# Altium PCB E103-W02.PcbDoc (part 1 of 2) (continued)
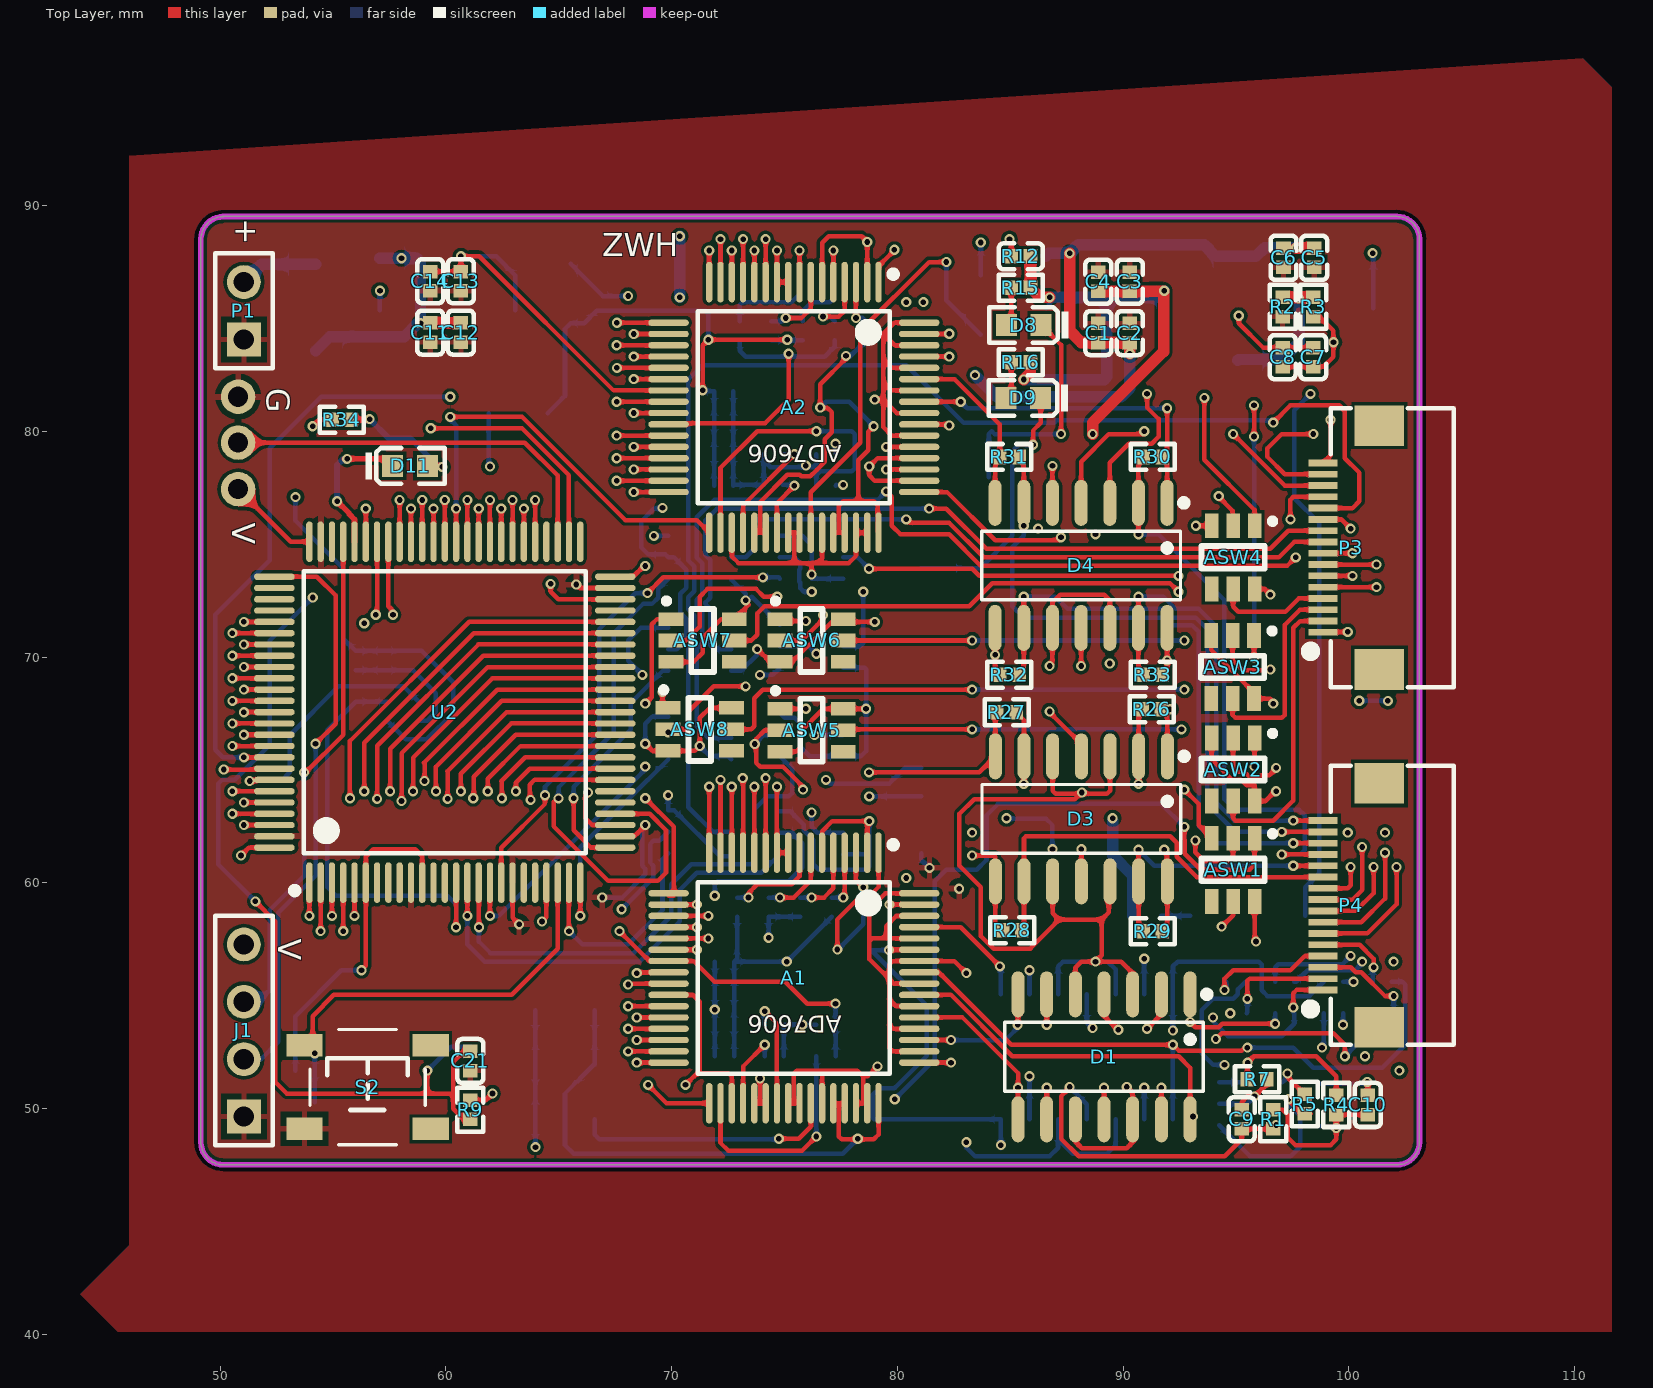
[diagram p0: Top Layer view]
## Components (designator, comment, footprint, x,y, rotation, side; value= is the part's Value field where it differs from the comment)
*1 "Component_1" E103-W02 93.131,78.734 r270 bottom
A1 "AD7606BBSTZ" AD7606 75.311,55.88 r270 top
A2 "AD7606BBSTZ" AD7606 75.311,81.153 r270 top
ASW1 "RS2103XH" SOT-23-6 94.869,60.579 r90 top
ASW2 "RS2103XH" SOT-23-6 94.869,65.024 r90 top
ASW3 "RS2103XH" SOT-23-6 94.846,69.564 r90 top
ASW4 "RS2103XH" SOT-23-6 94.869,74.422 r90 top
ASW5 "RS2103XH" SOT-23-6 76.2,66.763 r180 top
ASW6 "RS2103XH" SOT-23-6 76.2,70.739 r180 top
ASW7 "RS2103XH" SOT-23-6 71.374,70.739 r180 top
ASW8 "RS2103XH" SOT-23-6 71.247,66.802 r180 top
ASW9 "RS2103XH" SOT-23-6 71.247,74.421 r180 bottom
ASW10 "RS2103XH" SOT-23-6 71.247,70.358 r180 bottom
ASW11 "RS2103XH" SOT-23-6 71.247,66.421 r180 bottom
ASW12 "RS2103XH" SOT-23-6 71.247,62.261 r180 bottom
ASW13 "RS2103XH" SOT-23-6 76.2,74.549 r180 bottom
ASW14 "RS2103XH" SOT-23-6 76.152,70.673 r180 bottom
ASW15 "RS2103XH" SOT-23-6 76.2,66.564 r180 bottom
ASW16 "RS2103XH" SOT-23-6 76.2,62.261 r180 bottom
C1 "10uF" 0402_C 88.9,84.357 r270 top
C2 "0.1uF" 0402_C 90.297,84.357 r270 top
C3 "0.1uF" 0402_C 90.297,86.629 r270 top
C4 "10uF" 0402_C 88.9,86.629 r270 top
C5 "10uF" 0402_C 98.459,87.691 r90 top
C6 "0.1uF" 0402_C 97.102,87.691 r90 top
C7 "0.1uF" 0402_C 98.419,83.29 r90 top
C8 "10uF" 0402_C 97.062,83.29 r90 top
C9 "100nF" 0402_C 95.25,49.53 r270 top
C10 "100nF" 0402_C 100.838,50.165 r270 top
C11 "10uF" 0402_C 59.309,84.379 r90 top
C12 "0.1uF" 0402_C 60.666,84.379 r90 top
C13 "0.1uF" 0402_C 60.666,86.656 r90 top
C14 "10uF" 0402_C 59.309,86.656 r90 top
C15 "Cap Pol3" CASE-A_3216 65.278,54.356 r0 bottom value="10 μF"
C16 "100 nF" 0402_C 72.339,56.515 r180 bottom
C17 "100 nF" 0402_C 72.339,53.721 r180 bottom
C18 "100 nF" 0402_C 72.339,52.324 r180 bottom
C19 "100 nF" 0402_C 72.339,55.118 r180 bottom
C20 "0.1uF" 0402_C 56.007,67.608 r90 bottom
C21 "0.1uF" 0402_C 61.087,52.114 r90 top
C22 "0.1uF" 0402_C 53.765,50.294 r0 bottom
C23 "Cap Pol3" CASE-A_3216 65.278,51.943 r0 bottom value="10 μF"
C24 "100 nF" 0402_C 76.835,53.721 r180 bottom
C25 "Cap Pol3" CASE-A_3216 65.278,49.53 r0 bottom value="10 μF"
C26 "0.1uF" 0402_C 56.007,69.85 r90 bottom
C30 "0.1uF" 0402_C 57.277,69.85 r90 bottom
C32 "1 μF" 0402_C 74.549,53.721 r0 bottom
C33 "1 μF" 0402_C 74.549,52.324 r0 bottom
C34 "Cap Pol3" CASE-A_3216 66.491,85.538 r270 bottom value="10 μF"
C35 "100 nF" 0402_C 72.307,81.788 r180 bottom
C36 "100 nF" 0402_C 72.307,80.391 r180 bottom
C37 "100 nF" 0402_C 72.307,77.597 r180 bottom
C38 "100 nF" 0402_C 72.307,78.994 r180 bottom
C39 "Cap Pol3" CASE-A_3216 63.208,80.814 r0 bottom value="10 μF"
C40 "100 nF" 0402_C 76.835,78.994 r180 bottom
C41 "Cap Pol3" CASE-A_3216 83.693,85.598 r270 bottom value="10 μF"
C42 "1 μF" 0402_C 74.505,77.63 r180 bottom
C43 "1 μF" 0402_C 74.505,78.994 r180 bottom
D1 "RS8554" RS8554 91.314,51.642 r180 top
D2 "RS8554" RS8554 90.552,52.956 r180 bottom
D3 "RS8554" RS8554 90.308,62.183 r180 top
D4 "RS8554" RS8554 90.298,73.409 r180 top
D8 "蓝灯 0603" 0603_LED_S1 85.598,84.709 r180 top
D9 "蓝灯 0603" 0603_LED_S1 85.579,81.485 r180 top
D10 "蓝灯 0603" 标准DO-214AC 54.229,83.566 r90 bottom
D11 "蓝灯 0603" 0603_LED_S1 58.414,78.475 r0 top (schematic designator D8)
J1 "Header 4" HDR1X4 51.054,49.657 r90 top
OS1 "1k" 0402_R 72.898,58.928 r270 bottom
OS2 "10k" 0402_R 78.486,58.928 r270 bottom
OS3 "10k" 0402_R 75.692,58.928 r270 bottom
OS4 "10k" 0402_R 74.295,58.928 r270 bottom
OS5 "10k" 0402_R 77.089,58.928 r270 bottom
OS6 "1k" 0402_R 73.025,84.455 r270 bottom
OS7 "10k" 0402_R 78.613,84.455 r270 bottom
OS8 "10k" 0402_R 75.819,84.455 r270 bottom
OS9 "10k" 0402_R 74.422,84.455 r270 bottom
OS10 "10k" 0402_R 77.216,84.455 r270 bottom
P1 "Header 2" HDR1X2 51.054,84.074 r90 top
P3 "Header 16" FPC_16_0.5 101.799,75.565 r270 top
P4 "Header 16" FPC_16_0.5 101.799,59.724 r270 top
R1 "10KΩ" 0402_R 96.647,49.53 r270 top
R2 "0Ω" 0402_R 97.062,85.513 r90 top
R3 "0Ω" 0402_R 98.419,85.513 r270 top
R4 "10K" 0402_R 99.441,50.165 r270 top
R5 "5K" 0402_R 98.044,50.209 r270 top
R7 "5K" 0402_R 95.929,51.308 r0 top
R9 "10K" 0402_R 61.087,49.955 r90 top
R10 "10K" 0402_R 57.404,67.608 r270 bottom
R11 "10K" 0402_R 53.765,51.689 r180 bottom
R12 "1K" 0402_C 85.471,87.757 r180 top
R13 "1.1KΩ (1101) ±1%" 0402_R 76.835,52.324 r0 bottom
R14 "1k" 0402_R 58.801,67.608 r90 bottom
R15 "1K" 0402_R 85.471,86.36 r0 top
R16 "1K" 0402_R 85.471,83.058 r180 top
R17 "1.1KΩ (1101) ±1%" 0402_R 76.835,77.597 r0 bottom
R18 "100Ω" 0402_R 97.155,54.229 r180 bottom
R19 "100Ω" 0402_R 95.04,54.229 r180 bottom
R20 "100Ω" 0402_R 101.473,54.229 r180 bottom
R21 "100Ω" 0402_R 94.996,55.626 r0 bottom
R22 "100Ω" 0402_R 101.473,55.626 r0 bottom
R23 "100Ω" 0402_R 99.314,54.229 r180 bottom
R24 "100Ω" 0402_R 97.155,55.626 r180 bottom
R25 "0KΩ" 0402_R 99.314,55.626 r180 bottom
R26 "100Ω" 0402_R 91.269,67.691 r0 top
R27 "100Ω" 0402_R 84.836,67.564 r180 top
R28 "100Ω" 0402_R 85.09,57.912 r180 top
R29 "100Ω" 0402_R 91.313,57.865 r0 top
R30 "100Ω" 0402_R 91.313,78.867 r0 top
R31 "100Ω" 0402_R 84.963,78.867 r180 top
R32 "100Ω" 0402_R 84.963,69.215 r180 top
R33 "0KΩ" 0402_R 91.313,69.215 r0 top
R34 "1K" 0402_R 55.394,80.518 r0 top (schematic designator R15)
S1 "SW-PB" 按键 58.42,50.927 r90 bottom
S2 "SW-PB" 按键 56.461,50.997 r90 top
U1 "RS8557XF" SOT-23-5 95.651,50.216 r180 bottom
U2 "STM32F103VCT6" LQFP-100_14x14x05P 59.954,67.564 r0 top
VR1 "AMS1117-3.3" SOT-223 89.583,85.457 r180 bottom
VR2 "AMS1117-5.0" SOT-223 98.078,85.449 r180 bottom
VR3 "AMS1117-3.3" SOT-223 60.082,85.371 r180 bottom

## Footprints (in the part's own frame and the unit in brackets; to place one, negate y for a bottom-side part, rotate by r counter-clockwise, add the part's x,y. Pads: shape width x height; smd on the part's side, far side on the other; paste and mask are expansions set on the pad)
0402_C [mm]
  rect 0.6x0.65 smd mask+0.051: 1(-0.425,0) 2(0.425,0)
  silkscreen extent -0.97,-0.58 0.98,0.58, body extent -0.48,-0.3 0.52,0.3, height 0.2
0402_R [mm]
  rect 0.6x0.65 smd mask+0.051: 1(-0.425,0) 2(0.425,0)
  silkscreen extent -0.97,-0.58 0.97,0.58, body extent -0.57,-0.27 0.57,0.28, height 0.41
0603_LED_S1 [mm]
  rect 0.93x0.98 smd: A(0.77,0) K(-0.77,0)
  silkscreen extent -1.97,-0.79 1.54,0.79, body extent -0.8,-0.4 0.8,0.4, height 0.6
AD7606 [mm]
  oval 1.796x0.28 smd: 1(-5.461,3.854) 2(-5.461,3.354) 3(-5.461,2.854) 4(-5.461,2.354) 5(-5.461,1.854) 6(-5.461,1.354) 7(-5.461,0.854) 8(-5.461,0.354) 9(-5.461,-0.146) 10(-5.461,-0.646) 11(-5.461,-1.146) 12(-5.461,-1.646) 13(-5.461,-2.146) 14(-5.461,-2.646) 15(-5.461,-3.146) 16(-5.461,-3.646) 33(5.639,-3.646) 34(5.639,-3.146) 35(5.639,-2.646) 36(5.639,-2.146) 37(5.639,-1.646) 38(5.639,-1.146) 39(5.639,-0.646) 40(5.639,-0.146) 41(5.639,0.354) 42(5.639,0.854) 43(5.639,1.354) 44(5.639,1.854) 45(5.639,2.354) 46(5.639,2.854) 47(5.639,3.354) 48(5.639,3.854)
  oval 0.28x1.796 smd: 17(-3.661,-5.446) 18(-3.161,-5.446) 19(-2.661,-5.446) 20(-2.161,-5.446) 21(-1.661,-5.446) 22(-1.161,-5.446) 23(-0.661,-5.446) 24(-0.161,-5.446) 25(0.339,-5.446) 26(0.839,-5.446) 27(1.339,-5.446) 28(1.839,-5.446) 29(2.339,-5.446) 30(2.839,-5.446) 31(3.339,-5.446) 32(3.839,-5.446) 49(3.839,5.654) 50(3.339,5.654) 51(2.839,5.654) 52(2.339,5.654) 53(1.839,5.654) 54(1.339,5.654) 55(0.839,5.654) 56(0.339,5.654) 57(-0.161,5.654) 58(-0.661,5.654) 59(-1.161,5.654) 60(-1.661,5.654) 61(-2.161,5.654) 62(-2.661,5.654) 63(-3.161,5.654) 64(-3.661,5.654)
  silkscreen extent -5.96,-4.15 4.34,4.65
CASE-A_3216 [mm]
  rect 1.8x1.35 smd: 1(1.31,0) 2(-1.31,0)
  silkscreen extent -2.54,-1 2.97,1, body extent -1.7,-0.84 1.7,0.84, height 1.71
E103-W02 [mm]
  oval 3.2x0.8 smd: 1(20.193,-8.76) 2(20.193,-7.487) 3(20.193,-6.213) 4(20.193,-4.94) 8(20.193,0.154) 9(20.193,1.427) 10(20.193,2.701) 11(20.193,3.974) 12(20.193,5.247) 13(20.193,6.521) 14(20.193,7.794) 15(20.193,9.068) 16(20.193,10.341) 29(0.762,10.341) 30(0.762,9.068) 34(0.762,3.974) 35(0.762,2.701) 36(0.762,1.427) 37(0.762,0.154) 40(0.762,-3.666) 42(0.762,-6.213) 43(0.762,-7.487) 44(0.762,-8.76)
  oval 3.2x0.8 on Bottom Overlay: 5(20.193,-3.666) 6(20.193,-2.393) 7(20.193,-1.12) 31(0.762,7.794) 32(0.762,6.521) 33(0.762,5.247) 38(0.762,-1.12) 39(0.762,-2.393) 41(0.762,-4.94)
  oval 0.8x3.2 smd: 17(17.429,12.065) 18(16.165,12.065) 19(14.901,12.065) 20(13.637,12.065) 21(12.373,12.065) 22(11.109,12.065) 23(9.846,12.065) 24(8.582,12.065) 25(7.318,12.065) 26(6.054,12.065) 27(4.79,12.065) 28(3.526,12.065)
  silkscreen extent 1.02,-15.19 20.02,11.81
FPC_16_0.5 [mm]
  rect 1.8x2.2 smd: 0(-4.687,-0.453) 0(6.113,-0.453)
  rect 0.3x1.3 smd: 1(4.463,-2.95) 2(3.963,-2.95) 3(3.463,-2.95) 4(2.963,-2.95) 5(2.463,-2.95) 6(1.963,-2.95) 7(1.463,-2.95) 8(0.963,-2.95) 9(0.463,-2.95) 10(-0.037,-2.95) 11(-0.537,-2.95) 12(-1.037,-2.95) 13(-1.537,-2.95) 14(-2.037,-2.95) 15(-2.537,-2.95) 16(-3.037,-2.95)
  silkscreen extent -5.46,-3.68 6.89,2.85, body extent -5.39,-3.3 6.81,2.7, height 2
HDR1X2 [mm] "Connector; Header; 2 Position"
  rect 1.5x1.5 hole 0.9: 1(0,0)
  round 1.5 hole 0.9: 2(2.54,0)
  silkscreen extent -1.27,-1.27 3.81,1.27
HDR1X4 [mm] "Connector; Header; 4 Position"
  rect 1.5x1.5 hole 0.9: 1(0,0)
  round 1.5 hole 0.9: 2(2.54,0) 3(5.08,0) 4(7.62,0)
  silkscreen extent -1.27,-1.27 8.89,1.27
LQFP-100_14x14x05P [mm]
  oval 0.28x1.8 smd mask+0.051: 1(-6,-7.55) 2(-5.5,-7.55) 3(-5,-7.55) 4(-4.5,-7.55) 5(-4,-7.55) 6(-3.5,-7.55) 7(-3,-7.55) 8(-2.5,-7.55) 9(-2,-7.55) 10(-1.5,-7.55) 11(-1,-7.55) 12(-0.5,-7.55) 13(0,-7.55) 14(0.5,-7.55) 15(1,-7.55) 16(1.5,-7.55) 17(2,-7.55) 18(2.5,-7.55) 19(3,-7.55) 20(3.5,-7.55) 21(4,-7.55) 22(4.5,-7.55) 23(5,-7.55) 24(5.5,-7.55) 25(6,-7.55) 51(6,7.55) 52(5.5,7.55) 53(5,7.55) 54(4.5,7.55) 55(4,7.55) 56(3.5,7.55) 57(3,7.55) 58(2.5,7.55) 59(2,7.55) 60(1.5,7.55) 61(1,7.55) 62(0.5,7.55) 63(0,7.55) 64(-0.5,7.55) 65(-1,7.55) 66(-1.5,7.55) 67(-2,7.55) 68(-2.5,7.55) 69(-3,7.55) 70(-3.5,7.55) 71(-4,7.55) 72(-4.5,7.55) 73(-5,7.55) 74(-5.5,7.55) 75(-6,7.55)
  oval 1.8x0.28 smd mask+0.051: 26(7.55,-6) 27(7.55,-5.5) 28(7.55,-5) 29(7.55,-4.5) 30(7.55,-4) 31(7.55,-3.5) 32(7.55,-3) 33(7.55,-2.5) 34(7.55,-2) 35(7.55,-1.5) 36(7.55,-1) 37(7.55,-0.5) 38(7.55,0) 39(7.55,0.5) 40(7.55,1) 41(7.55,1.5) 42(7.55,2) 43(7.55,2.5) 44(7.55,3) 45(7.55,3.5) 46(7.55,4) 47(7.55,4.5) 48(7.55,5) 49(7.55,5.5) 50(7.55,6) 76(-7.55,6) 77(-7.55,5.5) 78(-7.55,5) 79(-7.55,4.5) 80(-7.55,4) 81(-7.55,3.5) 82(-7.55,3) 83(-7.55,2.5) 84(-7.55,2) 85(-7.55,1.5) 86(-7.55,1) 87(-7.55,0.5) 88(-7.55,0) 89(-7.55,-0.5) 90(-7.55,-1) 91(-7.55,-1.5) 92(-7.55,-2) 93(-7.55,-2.5) 94(-7.55,-3) 95(-7.55,-3.5) 96(-7.55,-4) 97(-7.55,-4.5) 98(-7.55,-5) 99(-7.55,-5.5) 100(-7.55,-6)
  silkscreen extent -6.8,-8.05 6.25,6.25
RS8554 [mm]
  oval 0.574x2.038 smd: 1(-1.65,-3.426) 2(-0.38,-3.426) 3(0.89,-3.426) 4(2.16,-3.426) 5(3.43,-3.426) 6(4.7,-3.426) 7(5.97,-3.426) 8(5.97,2.112) 9(4.7,2.112) 10(3.43,2.112) 11(2.16,2.112) 12(0.89,2.112) 13(-0.38,2.112) 14(-1.65,2.112)
  silkscreen extent -2.54,-3.58 6.56,0.86
SOT-23-5 [mm]
  rect 1.1x0.6 smd: 1(1.4,-0.95) 2(1.4,0) 3(1.4,0.95) 4(-1.4,0.95) 5(-1.4,-0.95)
  silkscreen extent -0.5,-1.87 1.62,1.4
SOT-23-6 [mm]
  rect 1.1x0.6 smd: 1(1.4,-0.95) 2(1.4,0) 3(1.4,0.95) 4(-1.4,0.95) 5(-1.4,0) 6(-1.4,-0.95)
  silkscreen extent -0.5,-1.87 1.72,1.4
SOT-223 [mm]
  rect 2.2x1 smd: 1(3,-2.3) 2(3,0) 3(3,2.3)
  rect 2.2x3.5 smd: 2(-3,0)
  silkscreen extent -1.4,-3 1.4,3, body extent -3.49,-3.24 3.49,3.24, height 1.64
按键 [mm]
  rect 1x1.6 smd: 1(1.812,2.727) 2(-1.888,2.727) 3(-1.888,-2.873) 4(1.812,-2.873)
  silkscreen extent -2.59,-2.62 2.51,2.48, body extent -2.64,-3.27 2.56,3.13, height 1.5
标准DO-214AC [mm]
  rect 1.6x2.4 smd: 1(3.83,0) 2(0,0)
  silkscreen extent -1.45,-1.43 4.85,1.43

## Part data
A1 A2: BOM_Manufacturer="Analog Devices", BOM_Manufacturer Part=AD7606BBSTZ, BOM_Supplier=LCSC, BOM_Supplier Part=C443885, Contributor=LCSC, spicePre=U, spiceSymbolName=AD7606BBSTZ
C1 C2 C3 C4 C5 C6 C7 C8 C11 C12 C13 C14: library part "0603 1.0pF (010) 0.25pF 50V", "贴片电容", Package=0603, SuppliersPartNumber=C23969, ComponentLink1Description=供?, ComponentLink1URL=http://www.szlcsc.com/product/details_24709.html, Supplier=LC
C9 C10 C20 C21 C22: library part "0402 100nF (104) 10% 16V", "贴片电容", Package=0402, SuppliersPartNumber=C1525, ComponentLink1Description=供?, ComponentLink1URL=http://www.szlcsc.com/product/details_1877.html, Supplier=LC
C15 C23 C25 C34 C39 C41: "Polarized Capacitor (Surface Mount)", LatestRevisionDate=29-May-2009, LatestRevisionNote="IPC-7351 Footprint Added.", PackageDescription="Chip Capacitor", PackageReference=C0805, Published=8-Jun-2000, Publisher="Altium Limited"
C16 C17 C18 C19 C24 C32 C33 C35 C36 C37 C38 C40 C42 C43: library part "0603 1.5nF (152) 10% 50V", "贴片电容", Package=0603, SuppliersPartNumber=C1595, ComponentLink1Description=供?, ComponentLink1URL=http://www.szlcsc.com/product/details_1947.html, Supplier=LC
C26 C30: library part "0402 1.0uF (105) 10% 25V", "贴片电容", Package=0402, SuppliersPartNumber=C52923, ComponentLink1Description=供?, ComponentLink1URL=http://www.szlcsc.com/product/details_53938.html, Supplier=LC
D1 D2 D3 D4: library part 运放_OPA4374, "运放，4个集成IC，轨至轨，2.3-5.5V，SOIC-14和TSSOP-14封装"
D8 D9 D10 D11: library part "0603 蓝灯", "发光二极管", Package=0603, SuppliersPartNumber=C72041, ComponentLink1Description=供?, ComponentLink1URL=http://www.szlcsc.com/product/details_73150.html, Supplier=LC
J1: "Header, 4-Pin", LatestRevisionDate=17-Jul-2002, LatestRevisionNote="Re-released for DXP Platform.", Publisher="Altium Limited"
OS1 OS2 OS3 OS4 OS5 OS6 OS7 OS8 OS9 OS10: library part "0603 0Ω (0R0) 1%", "贴片电阻", Package=0603, SuppliersPartNumber=C21189, ComponentLink1Description=供?, ComponentLink1URL=http://www.szlcsc.com/product/details_21903.html, Supplier=LC
P1: "Header, 2-Pin", LatestRevisionDate=17-Jul-2002, LatestRevisionNote="Re-released for DXP Platform.", Publisher="Altium Limited"
P3 P4: "Header, 16-Pin", LatestRevisionDate=17-Jul-2002, LatestRevisionNote="Re-released for DXP Platform.", Publisher="Altium Limited"
R1: library part "0402 1.2KΩ (1201) 1%", "贴片电阻", Package=0402, SuppliersPartNumber=C25862, ComponentLink1Description=供?, ComponentLink1URL=http://www.szlcsc.com/product/details_26605.html, Supplier=LC
R2 R3: library part "1206 0Ω (0R0) 1%", "贴片电阻", Package=1206, SuppliersPartNumber=C17888, ComponentLink1Description=供?, ComponentLink1URL=http://www.szlcsc.com/product/details_18576.html, Supplier=LC
R4 R5 R7: library part "0603 100Ω (1000) 1%", "贴片电阻", Package=0603, SuppliersPartNumber=C22775, ComponentLink1Description=供?, ComponentLink1URL=http://www.szlcsc.com/product/details_23502.html, Supplier=LC
R9 R10 R11 R15 R16 R34: library part "0402 10KΩ (1002) 1%", "贴片电阻", Package=0402, SuppliersPartNumber=C25744, ComponentLink1Description=供?, ComponentLink1URL=http://www.szlcsc.com/product/details_26487.html, Supplier=LC
R12 R13 R17: library part "0603 1.1KΩ (1101) 1%", "贴片电阻", Package=0603, SuppliersPartNumber=C22764, ComponentLink1Description=供?, ComponentLink1URL=http://www.szlcsc.com/product/details_23491.html, Supplier=LC
R14: library part "0402 0Ω (0R0) 1%", "贴片电阻", Package=0402, SuppliersPartNumber=C17168, ComponentLink1Description=供?, ComponentLink1URL=http://www.szlcsc.com/product/details_17853.html, Supplier=LC
R18 R19 R20 R21 R22 R23 R24 R25 R26 R27 R28 R29 R30 R31 R32 R33: library part "0603 2KΩ (2001) 1%", "贴片电阻", Package=0603, SuppliersPartNumber=C22975, ComponentLink1Description=供?, ComponentLink1URL=http://www.szlcsc.com/product/details_23702.html, Supplier=LC
S1 S2: "Switch", LatestRevisionDate=17-Jul-2002, LatestRevisionNote="Re-released for DXP Platform.", PackageDescription="Switch; 2 Leads", PackageReference=SPST-2, Published=24-Mar-1999, Publisher="Altium Limited"
U2: "ARM", Package=LQFP-100_14x14x05P, SuppliersPartNumber=C8313, ComponentLink1Description=供?, ComponentLink1URL=http://www.szlcsc.com/product/details_8805.html, Supplier=LC
VR1 VR2 VR3: library part "SOT-223 AMS1117-3.3", "低压差线性稳压(LDO)", Package=SOT-223, SuppliersPartNumber=C6186, ComponentLink1Description=供?, ComponentLink1URL=http://www.szlcsc.com/product/details_6652.html, Supplier=LC

## Free pads (board coordinates)
  round 1.524 hole 0.889: 2(50.8,77.441) 2(50.8,79.502) 2(50.8,81.534)

## Via types
v1: diameter 0.45, hole 0.25, Top Layer to Bottom Layer, 390 vias

## Nets (pads, with @x,y where several pads share a name; then routed paths per layer and width w, separated by ;. In a path a pad name is that pad's centre, name@x,y a point inside that pad or via, vN(x,y) a via of type N, cw(c..) or ccw(c..) an arc to the next point about the centre after c; other vN are vias at no path point)
ADC1_BUSY: A1.14 U2.33 | length 21.4
  Top Layer w0.2: v1(63.101,64.064) 63.101,64.443 63.722,65.064 U2.33@67.504,65.064 ; A1.14@72.665,61.341 v1(72.665,64.262)
  Signal Layer 2 w0.2: v1(63.101,64.064) 63.101,63.01 64.389,61.722 72.263,61.722 72.665,62.124 v1(72.665,64.262)
ADC1_CS: A1.13 U2.34 | length 24.7
  Top Layer w0.2: v1(62.484,63.754) 62.484,64.474 62.454,64.504 63.515,65.564 U2.34@67.504,65.564 ; A1.13@73.165,61.341 v1@73.165,64.564
  Signal Layer 2 w0.2: v1(62.484,63.754) 62.484,63.051 62.454,63.022 64.135,61.341 72.771,61.341 73.152,61.722 v1(73.152,64.643)
ADC1_CVAB: A1.9 A1.10 U2.37 | length 32.2
  Top Layer w0.2: v1(60.666,64.064) 60.666,64.837 62.893,67.064 U2.37@67.504,67.064 ; v1(74.665,64.262) A1.10@74.665,61.341 A1.9@75.165,61.341
  Signal Layer 2 w0.2: v1(60.666,64.064) 60.666,62.778 63.246,60.198 74.295,60.198 74.665,60.568 v1(74.665,64.262)
ADC1_D0: A1.16 U2.97 | length 27.3
  Top Layer w0.2: v1(50.546,63.064) U2.97@52.404,63.064 ; A1.16@71.665,61.341 v1(71.665,64.262)
  Signal Layer 2 w0.2: v1(50.546,63.064) 53.412,63.064 55.753,65.405 67.477,65.405 68.366,64.516 71.411,64.516 v1(71.665,64.262)
ADC1_D1: A1.17 U2.98 | length 25.9
  Top Layer w0.2: v1(51.054,62.564) U2.98@52.404,62.564 ; v1(68.834,63.754) 70.104,62.484 70.104,59.434 69.865,59.434 A1.17@69.865,59.541
  Signal Layer 2 w0.2: v1(51.054,62.564) 53.42,62.564 55.88,65.024 67.335,65.024 68.605,63.754 v1(68.834,63.754)
ADC1_D2: A1.18 U2.1 | length 26.1
  Top Layer w0.2: v1(53.954,58.541) U2.1@53.954,60.014 ; A1.18@69.865,59.041 v1(71.12,59.041)
  Signal Layer 1 w0.2: v1(53.954,58.541) 53.954,62.59 54.61,63.246 57.745,63.246 57.841,63.15 58.237,63.15 58.333,63.246 63.513,63.246 63.556,63.203 63.952,63.203 63.995,63.246 66.548,63.246 70.753,59.041 v1(71.12,59.041)
ADC1_D3: A1.19 U2.2 | length 27.7
  Top Layer w0.2: v1(54.454,57.865) U2.2@54.454,60.014 ; A1.19@69.865,58.541 v1(71.628,58.541)
  Signal Layer 1 w0.2: v1(54.454,57.865) 54.454,62.455 54.864,62.865 57.627,62.865 57.695,62.797 58.383,62.797 58.436,62.85 64.098,62.85 64.113,62.865 66.421,62.865 70.745,58.541 v1(71.628,58.541)
ADC1_D4: A1.20 U2.3 | length 24.4
  Top Layer w0.2: v1(54.954,58.541) U2.3@54.954,60.014 ; A1.20@69.865,58.041 v1(71.12,58.041)
  Signal Layer 1 w0.2: v1(54.954,58.541) 54.954,62.066 55.343,62.455 57.539,62.455 57.549,62.445 58.529,62.445 58.539,62.455 66.327,62.455 70.741,58.041 v1(71.12,58.041)
ADC1_D5: A1.21 U2.4 | length 26
  Top Layer w0.2: v1(55.454,57.865) U2.4@55.454,60.014 ; A1.21@69.865,57.541 v1(71.628,57.541)
  Signal Layer 1 w0.2: v1(55.454,57.865) 55.454,61.804 55.716,62.066 66.204,62.066 70.729,57.541 v1(71.628,57.541)
ADC1_D6: A1.22 U2.5 | length 22.9
  Top Layer w0.2: v1(55.954,58.541) U2.5@55.954,60.014 ; A1.22@69.865,57.041 v1(71.12,57.041)
  Signal Layer 1 w0.2: v1(55.954,58.541) 55.954,61.542 56.124,61.712 66.003,61.712 70.674,57.041 v1(71.12,57.041)
ADC1_D7: A1.24 U2.38 | length 26.4
  Top Layer w0.2: v1(60.079,63.723) 60.079,64.941 60.071,64.949 62.686,67.564 U2.38@67.504,67.564 ; v1@68.453,56.041 A1.24@69.865,56.041
  Signal Layer 2 w0.2: v1(60.079,63.723) 59.944,63.589 59.944,57.779 61.716,56.007 v1(68.453,56.007)
ADC1_D8: A1.25 U2.39 | length 27.5
  Top Layer w0.2: v1(59.563,64.064) 59.563,65.148 62.479,68.064 U2.39@67.504,68.064 ; v1@68.072,55.541 A1.25@69.484,55.541
  Signal Layer 2 w0.2: v1(59.563,64.064) 59.563,57.66 61.724,55.499 v1(68.072,55.499)
ADC1_D9: A1.27 U2.40 | length 29.6
  Top Layer w0.2: v1(59.055,64.516) 59.055,65.298 59.031,65.323 62.272,68.564 U2.40@67.504,68.564 ; v1(68.072,54.541) A1.27@69.865,54.541
  Signal Layer 2 w0.2: v1(59.055,64.516) 59.055,57.658 62.172,54.541 v1(68.072,54.541)
ADC1_D10: A1.28 U2.41 | length 31.1
  Top Layer w0.2: v1(58.547,64.064) 58.547,65.546 62.065,69.064 U2.41@67.504,69.064 ; v1(68.453,54.041) A1.28@69.865,54.041
  Signal Layer 2 w0.2: v1(58.547,64.064) 58.547,57.658 62.164,54.041 v1(68.453,54.041)
ADC1_D11: A1.29 U2.42 | length 32.7
  Top Layer w0.2: v1(58.039,63.627) 58.039,65.745 61.858,69.564 U2.42@67.504,69.564 ; v1(68.072,53.541) A1.29@69.865,53.541
  Signal Layer 2 w0.2: v1(58.039,63.627) 58.039,57.658 62.156,53.541 v1(68.072,53.541)
ADC1_D12: A1.30 U2.43 | length 34.2
  Top Layer w0.2: v1(57.531,64.064) 57.531,65.944 61.651,70.064 U2.43@67.504,70.064 ; v1(68.453,53.041) A1.30@69.865,53.041
  Signal Layer 2 w0.2: v1(57.531,64.064) 57.531,57.652 62.142,53.041 v1(68.453,53.041)
ADC1_D13: A1.31 U2.44 | length 35.8
  Top Layer w0.2: v1(56.954,63.723) 56.954,66.075 61.444,70.564 U2.44@67.504,70.564 ; v1(68.072,52.541) A1.31@69.865,52.541
  Signal Layer 2 w0.2: v1(56.954,63.723) 56.954,57.674 62.087,52.541 v1(68.072,52.541)
ADC1_D14: A1.32 U2.45 | length 37.5
  Top Layer w0.2: v1(56.388,64.064) 56.388,66.215 61.237,71.064 U2.45@67.504,71.064 ; v1(68.453,52.041) A1.32@69.865,52.041
  Signal Layer 2 w0.2: v1(56.388,64.064) 56.388,57.658 62.005,52.041 v1(68.453,52.041)
ADC1_D15: A1.33 U2.46 | length 45.8
  Top Layer w0.2: v1(55.753,63.754) 55.753,66.287 61.03,71.564 U2.46@67.504,71.564 ; v1(68.961,51.054) 69.774,50.241 A1.33@71.665,50.241
  Signal Layer 2 w0.2: v1(55.753,63.754) 55.753,59.563 55.499,59.309 53.697,59.309 53.412,59.024 53.412,57.928 54.19,57.15 56.261,57.15 61.976,51.435 68.58,51.435 v1(68.961,51.054)
ADC1_FRST: A1.15 U2.32 | length 19.5
  Top Layer w0.2: v1(63.754,63.68) 63.722,63.712 63.722,64.357 63.929,64.564 U2.32@67.504,64.564 ; A1.15@72.165,61.341 v1(72.165,64.564)
  Signal Layer 2 w0.2: v1(63.754,63.68) 63.754,62.865 64.516,62.103 71.657,62.103 72.165,62.611 v1(72.165,64.564)
ADC1_RD: A1.12 U2.35 | length 26.4
  Top Layer w0.2: v1(61.859,64.064) 61.859,64.616 63.308,66.064 U2.35@67.504,66.064 ; A1.12@73.665,61.341 v1(73.665,64.262)
  Signal Layer 2 w0.2: v1(61.859,64.064) 61.859,62.982 63.881,60.96 73.03,60.96 73.665,61.595 v1(73.665,64.262)
ADC1_RST: A1.11 U2.36 | length 30.1
  Top Layer w0.2: v1@61.237,63.68 61.237,64.7 63.101,66.564 U2.36@67.504,66.564 ; A1.11@74.165,61.341 v1(74.165,64.643)
  Signal Layer 2 w0.2: v1(61.214,63.754) 61.214,62.865 63.5,60.579 73.914,60.579 74.165,60.83 v1(74.165,64.643)
ADC2_BUSY: A2.14 U2.64 | length 33.9
  Top Layer w0.2: U2.64@59.454,75.114 v1(59.454,76.581) ; A2.14@72.665,86.614 v1(72.665,88.011)
  Signal Layer 1 w0.2: v1(59.454,76.581) 59.454,73.515 60.963,72.006 69.466,72.006 72.665,75.205 v1(72.665,88.011)
ADC2_CS: A2.13 U2.65 | length 37
  Top Layer w0.2: U2.65@58.954,75.114 v1(58.954,76.962) ; A2.13@73.165,86.614 v1(73.165,88.519)
  Signal Layer 1 w0.2: v1(58.954,76.962) 58.954,73.406 60.707,71.654 69.622,71.654 73.165,75.197 v1(73.165,88.519)
ADC2_CVAB: A2.9 A2.10 U2.70 | length 40.4
  Top Layer w0.2: U2.70@56.454,75.114 v1(56.454,76.581) ; A2.10@74.665,86.603 A2.10@74.665,86.614 ; v1(74.665,88.011) A2.10@74.665,86.614 ; A2.9@75.165,86.614 A2.10@74.665,86.614